# KiCad board mtt_final.kicad_pcb (continued)
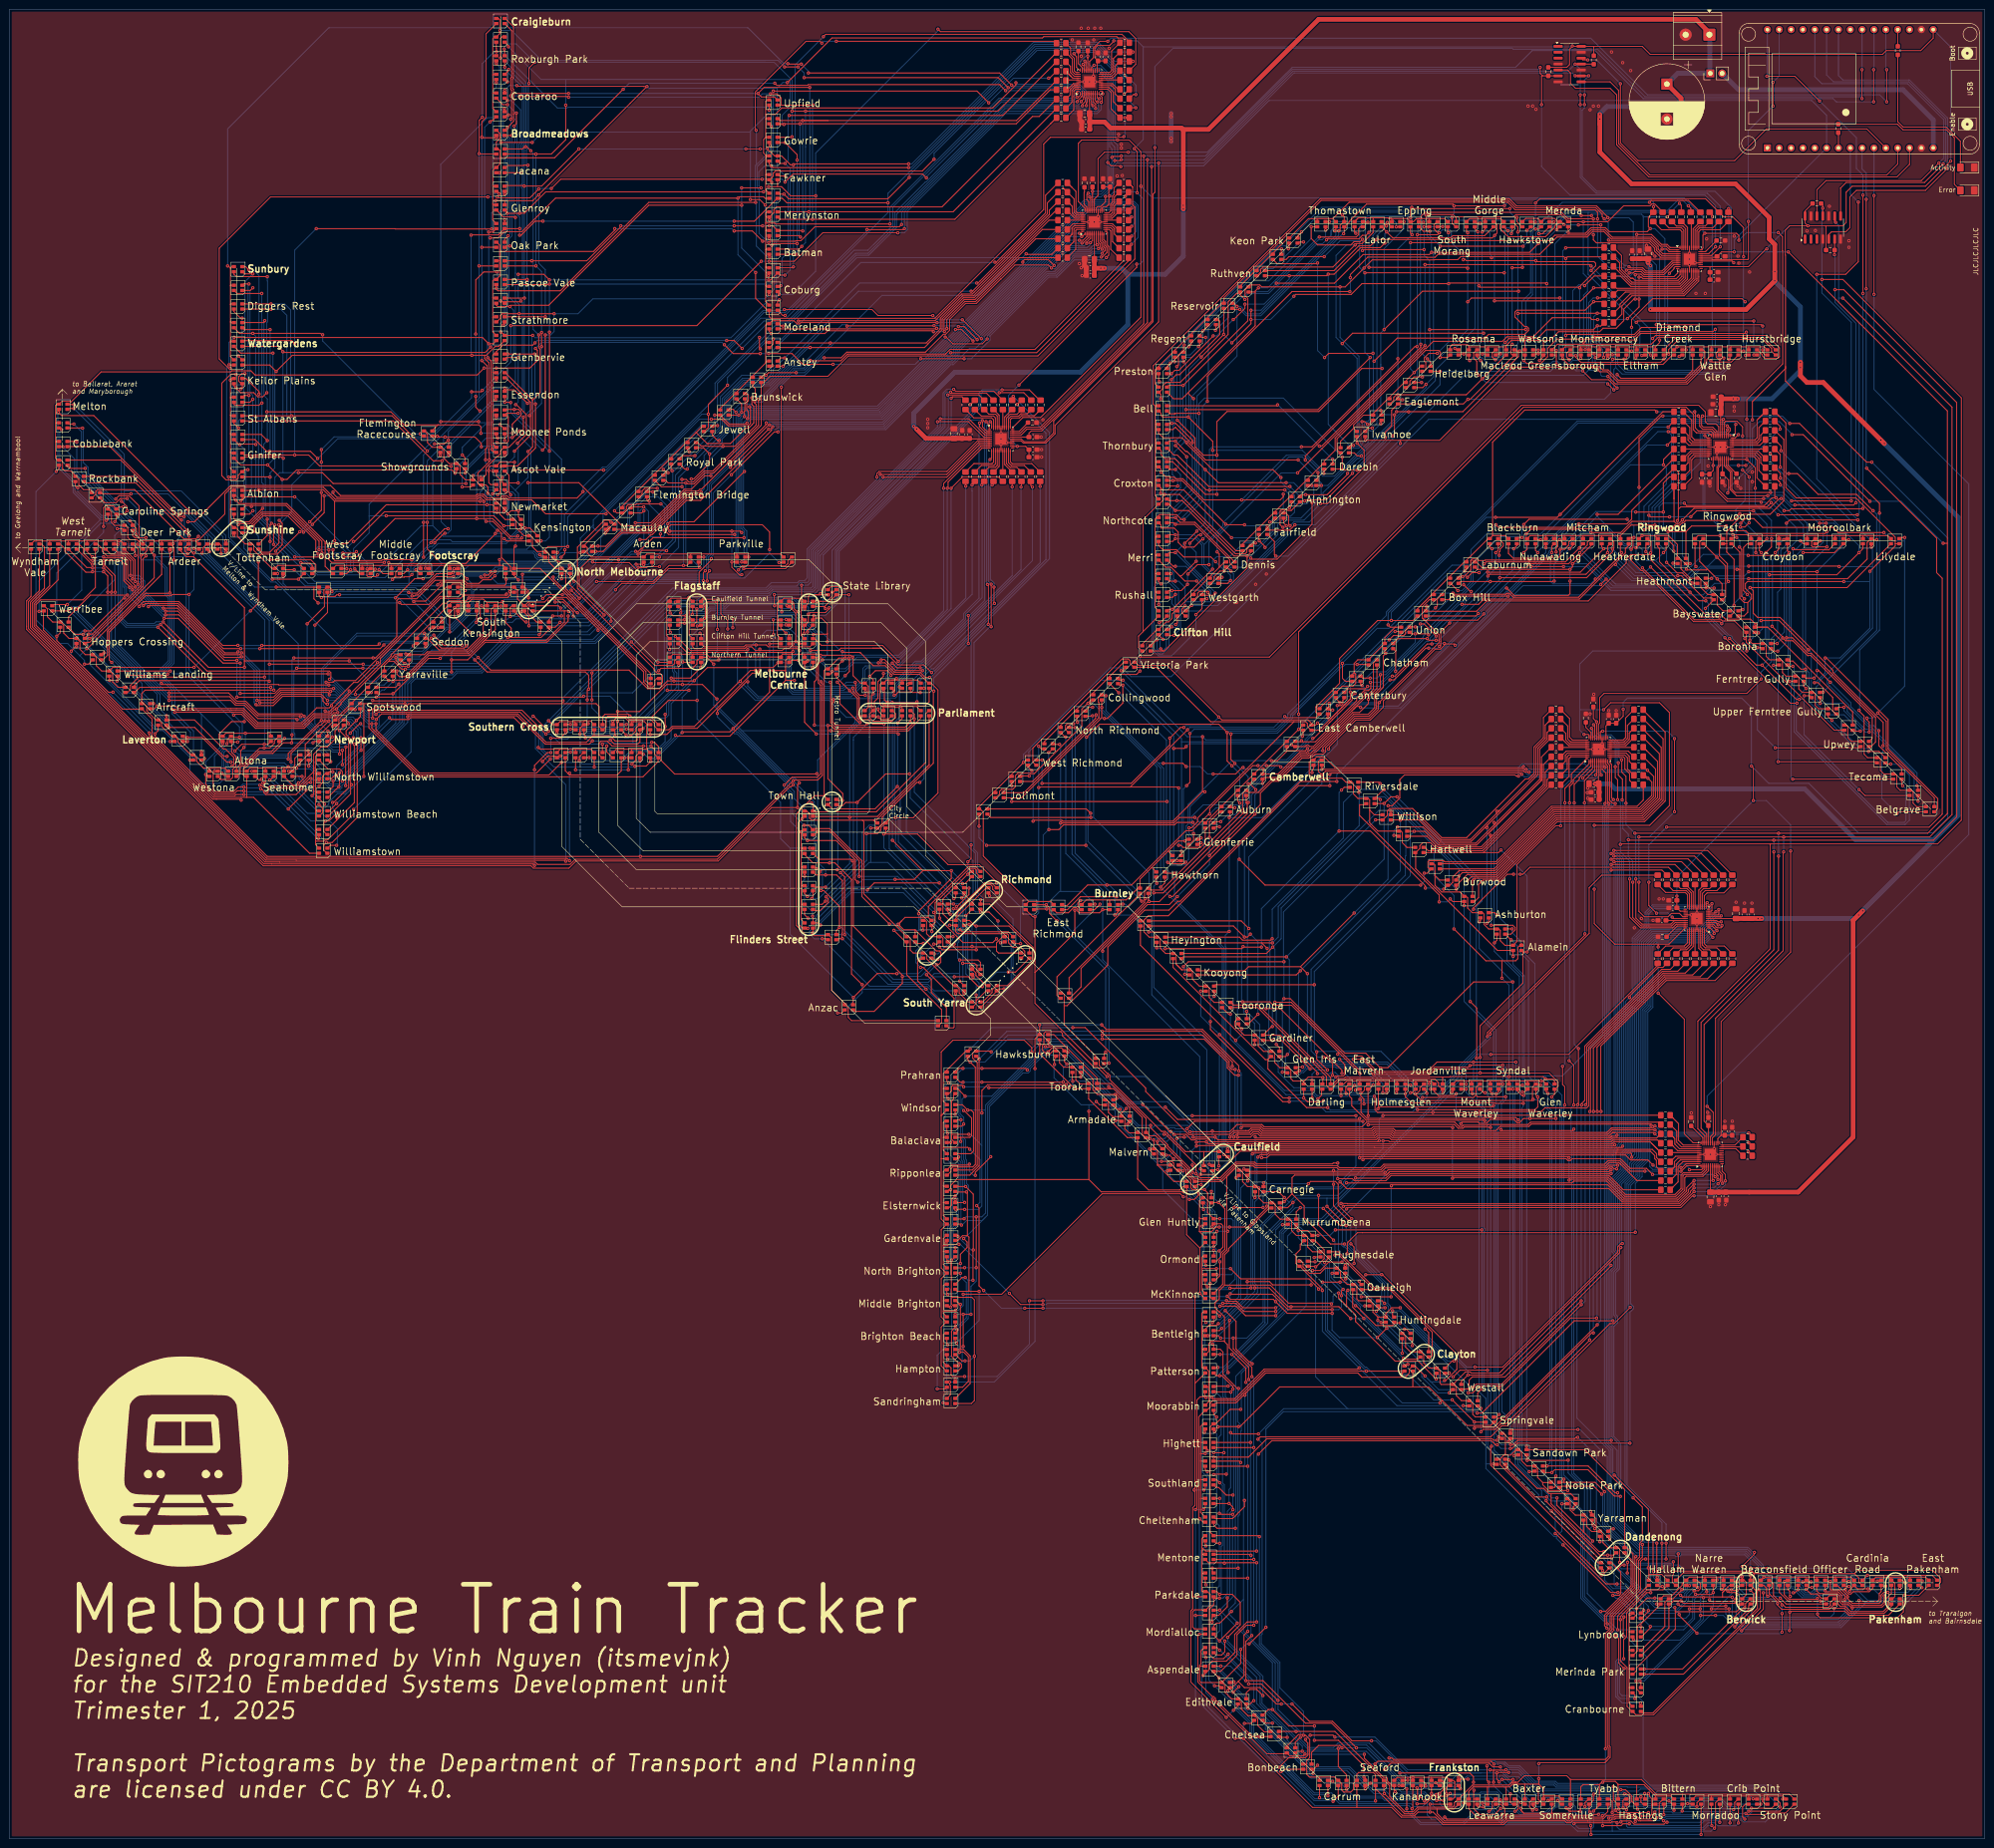
[diagram p0: board, top side]
## Routing (per net, layer and track width the routed paths; a pad name or vN(x,y) marks a point on that pad's centre or on a via; arc(x,y) is an arc through that point) (continued)
/L0_CS: length 197.4
  Top w0.2: v1(402.5,372.6) v1(402.5,379.5) ; v1(235.5,385.6) 233.81,385.6 232.43,384.22 232.43,382.1 231.61,381.28 U2.28
  Bottom w0.2: v1(235.5,385.6) 236.15,386.25 339.05,386.25 351.2,374.1 401,374.1 v1(402.5,372.6) ; v1(402.5,379.5) 402.31,379.69 U1.20
/L0_K0B: length 4.3
  Top w0.2: 228.95,376.1 228.79,376.1 228.62,376.1 228.46,376.1 228.29,376.1 227.61,375.42 227.41,375.22 227.41,374.09 R4.1
/L0_K0G: length 6.1
  Top w0.2: R3.1 227.82,372.49 227.82,375.06 228.13,375.37 228.13,375.37 228.46,375.7 U2.42
/L0_K0R: length 7.6
  Top w0.2: U2.43 228.62,375.3 228.22,374.9 228.22,370.9 R2.1
/L0_K1B: length 6.6
  Top w0.2: R7.1 227.66,378.04 ; R7.1 227.66,378.04 ; R7.1 227.66,378.04 ; 227.66,378.04 228,377.7 U2.37
/L0_K1G: length 2.6
  Top w0.2: U2.38 226.62,377.3
/L0_K1R: length 3
  Top w0.2: U2.40 228.12,376.5 226.81,375.19
/L0_K2B: length 7.6
  Top w0.2: 229.1,378.9 228.7,378.9 228.31,379.29 228.31,381.96 227.53,382.73 227.53,384.17 R10.1
/L0_K2G: length 5.8
  Top w0.2: U2.35 228.5,378.5 227.91,379.09 227.91,381.79 227.11,382.59 226.81,382.89
/L0_K2R: length 4.8
  Top w0.2: R8.1 227.01,380.69 227.51,380.19 227.51,378.89 228.3,378.1 U2.36
/L0_K3B: length 6.5
  Top w0.2: 237.41,380.59 237.61,380.79 ; 237.41,380.59 237.11,380.29 237.11,378.89 236.32,378.1 U2.20 ; 237.41,380.59 R13.1
/L0_K3G: length 6.9
  Top w0.2: 237.51,382.69 236.71,381.89 236.71,379.09 236.12,378.5 U2.21
/L0_K3R: length 9.9
  Top w0.2: 237.51,384.69 236.31,383.49 236.31,379.29 235.92,378.9 234.12,378.9 ; 237.51,384.69 R11.1 237.51,384.69
/L0_K4B: length 4.2
  Top w0.2: U2.16 236.5,376.5 236.66,376.34 237.71,375.29
/L0_K4G: length 4.1
  Top w0.2: U2.18 238.1,377.3
/L0_K4R: length 4.2
  Top w0.2: U2.19 236.53,377.7 237.71,378.89
/L0_K5B: length 8.7
  Top w0.2: U2.13 235.53,375.3 236.23,374.6 236.23,371.07 237.13,370.17 R19.1
/L0_K5G: length 7.2
  Top w0.2: R18.1 237.49,371.86 236.71,372.64 236.71,374.69 235.7,375.7 U2.14
/L0_K5R: length 5.2
  Top w0.2: 237.61,373.79 237.11,374.29 237.11,375.29 236.3,376.1 U2.15
/L1_A0: length 106.5
  Top w0.2: 162.17,316.62 162.15,316.65 162.15,320.9 ; 162.17,316.62 152.4,306.85 D78.3 ; 162.17,316.62 162.55,317 ; v1(233.22,341.9) 233.02,342.1 U3.7 ; v1(224,337.5) 222.73,338.77 217.67,338.77 217.28,338.38 v1(217.28,338.2) ; 162.15,320.9 162.15,324.7 162.45,325 D73.3 163.55,325.65 168.22,325.65 168.91,324.96 169.41,324.96 169.7,325.25 198.9,325.25 v1(198.91,325.24) ; 162.15,320.9 162.25,321 D74.3
  Bottom w0.2: v1(217.28,338.2) 217.28,337.92 204.62,325.25 198.92,325.25 v1(198.91,325.24) ; v1(233.22,341.9) 232.5,341.9 231.5,340.9 227.07,340.9 224,337.83 v1(224,337.5)
/L1_A1: length 137.5
  Top w0.2: 138.4,292.85 D82.3 ; 138.4,292.85 147.22,301.68 ; 138.4,292.85 131.4,285.85 D84.3 ; 147.22,301.68 149.7,299.2 149.8,299.2 149.9,299.3 154.6,299.3 157.9,302.6 158.5,302.6 159.3,303.4 159.3,303.42 159.6,303.72 159.6,307.3 159.2,307.7 v1(159.2,309.1) ; 147.22,301.68 148.55,303 ; v1(179.6,324.5) 179.65,324.55 198.2,324.55 v1(198.26,324.62) ; U3.5 232.22,342.82 v1(231.78,342.39) ; v1(203.47,324.39) 204.71,324.39 v1(207.5,321.6)
  Bottom w0.2: v1(231.78,342.39) 231.78,342.08 231,341.3 226.9,341.3 207.5,321.9 v1(207.5,321.6) ; v1(179.6,324.5) 179.3,324.8 178.53,324.8 169.64,315.9 167.89,315.9 161.38,309.39 159.49,309.39 v1(159.2,309.1) ; v1(198.26,324.62) 199.33,324.62 199.39,324.56 203.3,324.56 v1(203.47,324.39)
/L1_A2: length 174.9
  Top w0.2: 165.58,275.38 165.5,275.45 v1(165.5,311.4) ; 165.58,275.38 165.82,275.13 ; 165.58,275.38 165.35,275.6 155.9,275.6 ; 146.15,275.6 146,275.45 D88.3 ; 146.15,275.6 136.65,275.6 D87.3 124.75,274.95 123.9,275.8 123.9,276.95 123.6,277.25 D86.3 ; 146.15,275.6 155.9,275.6 ; v1(223.41,336.96) 222.77,337.6 215.6,337.6 212.6,334.6 212.57,334.6 207.34,329.37 205.03,329.37 201.6,325.94 201.6,323.6 200.75,322.75 200.25,322.75 196.4,318.9 179.54,318.9 178.34,317.7 v1(174.7,317.7) ; D89.3 156,275.5 155.9,275.6 ; 123.15,277.4 127.75,282 ; U3.8 233.42,342.55 233.82,342.15 233.82,341.42 233.52,341.12 v1(233.5,341.12)
  Bottom w0.2: v1(233.5,341.12) 232.28,341.12 231.66,340.5 227.85,340.5 224.15,336.8 223.57,336.8 v1(223.41,336.96) ; v1(174.7,317.7) 174.27,317.7 170.47,313.9 167.66,313.9 165.5,311.74 v1(165.5,311.4)
/L1_A3: length 306.7
  Top w0.2: v1(127.93,284.22) 114.98,284.22 112,287.2 107,287.2 106.5,287.7 105.9,287.7 105.4,287.2 102.3,287.2 101.5,288 100.43,288 100.18,287.74 70.26,287.74 69.4,288.6 v1(69.4,288.9) ; 14.47,257.5 15.15,256.82 15.15,255.15 16.3,254 D94.3 ; v1(67.5,288.1) 67.5,284.47 v1(64.97,281.93) ; 18.05,254 18.65,253.4 18.65,251.65 19.8,250.5 D95.3 22.2,251.3 v1(39.6,251.3) ; 7.47,264.5 8.15,263.82 8.15,262.15 9.3,261 D92.3 ; v1(202.84,323.76) 204.14,323.76 v1(206.61,321.29) ; v1(63.07,280.28) 63.07,280.43 59.73,283.77 54.37,283.77 52.47,281.87 52.47,281.87 52.47,280.57 v1(52.35,280.45) ; v1(51.7,263.4) 53.4,265.1 v1(53.4,273.9) ; D96.3 23.3,247 22.15,248.15 22.15,249.9 21.55,250.5 ; 10.97,261 11.65,260.32 11.65,258.65 12.8,257.5 D93.3 ; v1(150.5,304.5) 152.73,304.5 154.14,303.1 158.41,303.1 158.9,303.59 158.9,306.98 v1(158.7,307.18) ; U3.4 231.82,343.32 230.99,342.49 v1(230.99,342.25)
  Bottom w0.2: v1(67.5,288.1) 68.6,288.1 v1(69.4,288.9) ; v1(150.5,304.5) 147.93,304.5 127.93,284.5 v1(127.93,284.22) ; v1(39.6,251.3) v1(51.7,263.4) ; v1(230.99,342.25) 230.45,341.7 228,341.7 226.74,341.7 206.6,321.56 206.6,321.3 v1(206.61,321.29) ; v1(52.35,280.45) 53.4,279.4 v1(53.4,273.9) ; v1(63.07,280.28) 63.31,280.28 v1(64.97,281.93) ; v1(202.84,323.76) 202.84,323.51 186.24,306.9 159.3,306.9 159.05,307.15 158.73,307.15 v1(158.7,307.18)
/L1_A4: length 334.2
  Top w0.2: v1(208.4,321.8) 204.35,325.85 v1(204.31,325.85) ; 39.47,232.5 40.15,231.82 40.15,231.15 41.65,229.65 41.65,229.65 42.9,229.65 ; 31.88,240 31.43,240 29.45,241.98 29.45,242.9 28.85,243.5 D97.3 28.4,245.7 29.1,246.4 v1(56.7,246.4) ; 42.9,229.65 46.25,229.65 D102.3 ; 42.9,229.65 D101.3 ; U3.9 233.82,342.72 234.22,342.32 234.22,341.08 v1(234.3,341) ; 123.1,289 121.7,287.6 107.2,287.6 106.7,288.1 105.73,288.1 105.23,287.6 102.47,287.6 101.67,288.4 100.27,288.4 100.01,288.14 71.01,288.14 68.85,290.3 47.47,290.3 39.67,282.5 v1(38.3,282.5) ; D99.3 34.8,236.5 32.65,238.65 32.65,239.31 31.97,240 ; D100.3 38.93,232.5 36.15,235.28 36.15,235.82 35.98,235.98 35.47,236.5 ; v1(198,326.76) 186.24,326.76 184.95,328.05 v1(166.17,328.05)
  Bottom w0.2: v1(38.3,282.5) 38.7,282.5 41.91,279.29 41.91,275.81 56.7,261.02 v1(56.7,246.4) ; v1(198,326.76) 198.91,325.85 v1(204.31,325.85) ; v1(208.4,321.8) 208.4,322.23 222.37,336.2 224.12,336.2 228.01,340.09 231.83,340.09 232.25,340.51 233.81,340.51 v1(234.3,341) ; v1(123,289) 123,290.05 127.16,294.21 127.99,294.21 161.6,327.82 165.72,327.82 165.95,328.05 v1(166.17,328.05)
/L1_A5: length 284.1
  Top w0.2: v1(61.6,229.68) 60.68,229.68 ; 60.68,229.68 58.9,229.68 ; 60.68,229.68 61.2,230.2 61.2,231.75 61.95,232.5 D106.3 ; v1(50.3,234.1) 49.6,233.4 v1(49.6,231.1) ; v1(149.6,269.81) 149.6,271.4 150.1,271.9 v1(150.1,272) ; v1(154.6,294.2) v1(162.8,302.4) ; D103.3 51.57,229.68 54.9,229.68 ; U3.3 231.42,343.52 230.2,342.3 v1(229.97,342.3) ; 58.9,229.68 D105.3 ; 58.9,229.68 54.9,229.68 ; D108.3 56.07,236.9 55.82,237.15 v1(50.6,237.15) 46.38,237.15 D107.3 ; 54.9,229.68 D104.3
  Bottom w0.2: v1(154.6,294.2) 154.27,294.2 150.5,290.43 150.5,275.55 149.89,274.93 149.89,272.31 150.1,272.1 v1(150.1,272) ; v1(61.6,229.68) 61.79,229.48 64.5,229.48 68.49,225.49 ; v1(49.6,231.1) 49.9,230.8 58.95,230.8 v1(59.8,229.95) ; v1(229.97,342.3) 226.77,342.3 203.63,319.16 203.63,318.03 202.23,316.63 201.66,316.63 187.73,302.7 164.8,302.7 164.4,302.3 162.9,302.3 v1(162.8,302.4) ; 50.6,237.1 50.6,234.4 v1(50.3,234.1) ; 68.49,225.49 68.79,225.2 ; 68.49,225.49 68.91,225.07 70.9,225.07 71.3,225.48 71.3,225.95 84.6,239.25 84.6,242.45 85.4,243.25 85.4,247.73 87.37,249.7 95.05,249.7 95.8,250.45 95.8,250.5 101.16,250.5 107.5,256.84 125.49,256.84 138.31,269.66 148.15,269.66 148.55,269.26 149.05,269.26 v1(149.6,269.81)
/L1_A6: length 269.6
  Top w0.2: 65.65,224.65 65.65,228.65 ; 65.65,224.65 65.65,220.4 ; 65.65,224.65 65.8,224.5 D112.3 ; 65.65,228.65 65.65,232.2 65.95,232.5 D114.3 ; 65.65,228.65 65.8,228.5 D113.3 ; v1(234.3,340.1) 234.9,340.7 234.9,341.25 234.62,341.52 234.62,342.48 234.22,342.88 U3.10 ; 65.65,214.1 65.76,213.98 67.4,213.98 67.73,214.31 68.28,214.31 73.8,219.83 v1(73.8,220.8) ; 65.65,214.1 65.65,213.25 D109.3 ; 65.65,214.1 65.65,216.4 ; v1(147.88,269.06) 147.88,271.68 150.5,274.3 v1(150.5,274.6) ; D110.3 65.75,216.5 65.65,216.4 ; 65.65,216.4 65.65,220.4 ; 65.65,220.4 65.75,220.5 D111.3 ; 164.5,301.8 164,301.8 v1(154.8,292.6) ; 164.5,301.8 v1(164.8,301.8) ; 164.5,301.8 164.6,301.8
  Bottom w0.2: v1(164.8,301.8) 165.3,302.3 187.9,302.3 201.83,316.23 202.4,316.23 205.83,319.67 207.12,319.67 209,321.55 209,322.26 222.54,335.8 224.3,335.8 225.1,336.6 225.1,336.62 228.17,339.69 231.99,339.69 232.41,340.11 234.19,340.11 234.2,340.13 234.27,340.13 v1(234.3,340.1) ; v1(147.88,269.06) 147.68,269.25 138.47,269.25 125.66,256.44 107.67,256.44 101.33,250.1 96.02,250.1 94.75,248.83 87.07,248.83 86.1,247.87 86.1,233.1 v1(73.8,220.8) ; v1(154.8,292.6) 150.9,288.7 150.9,275.38 150.5,274.98 v1(150.5,274.6)
/L1_A7: length 232.5
  Top w0.2: U3.2 231.02,343.72 230.2,342.9 v1(229.4,342.9) ; 81.3,252.6 82.45,252.6 84.15,250.9 v1(84.9,250.9) ; 81.3,252.6 80.4,251.7 D119.3 ; 81.3,252.6 82.27,253.57 82.27,253.65 82.63,254 83.12,254 83.12,254 D120.3 ; v1(129,261.2) 129,261.88 122.2,268.68 122.2,272.3 124.4,274.5 128.5,274.5 128.65,274.35 v1(130.6,274.35) ; 66.4,236.65 69.9,240.15 73.33,243.58 76.9,247.15 80.33,250.58 ; v1(163.67,302.9) 163.4,302.62 163.4,302.1 149.15,287.85 148.97,287.85 148.22,287.1 145.17,287.1 138,279.93 137.99,279.93 137.75,279.7 137.49,279.7 136.49,278.7 v1(135.2,278.7)
  Bottom w0.2: v1(129,261.2) 129,261.16 125.08,257.24 107.26,257.24 100.92,250.9 84.9,250.9 v1(84.9,250.9) ; v1(130.6,274.35) 130.6,274.92 134.38,278.7 v1(135.2,278.7) ; v1(229.4,342.9) 226.8,342.9 203.23,319.33 203.23,318.19 202.06,317.03 201.5,317.03 187.57,303.1 163.9,303.1 163.7,302.9 v1(163.67,302.9)
/L1_A8: length 198.7
  Top w0.2: v1(200.64,322.15) 200.69,322.1 200.9,322.1 202.31,320.69 208.59,320.69 v1(209.65,321.75) ; D124.3 98.4,265.15 ; 98.4,265.15 99.15,265.9 101.65,265.9 102.4,265.15 ; 98.4,265.15 94.7,265.15 93.8,264.25 90.73,261.18 87.4,257.85 D121.3 ; 105.75,265.15 v1(105.75,265.4) ; 105.75,265.15 D126.3 ; 105.75,265.15 102.4,265.15 ; 102.4,265.15 D125.3 ; 234.62,344.31 234.62,343.05 235.03,342.65 235.03,341.69 235.3,341.42 235.3,340.25 234.35,339.3 v1(234.1,339.3) ; v1(118.57,266.9) 115.2,266.9 v1(114.35,266.05) ; v1(150.4,292.4) 149.12,292.4 146.22,289.5 144.72,289.5 137.52,282.3 v1(134.2,282.3)
  Bottom w0.2: v1(114.35,266.05) 113.9,265.6 110.9,265.6 110.7,265.8 106.1,265.8 105.75,265.45 v1(105.75,265.4) ; v1(150.4,292.4) 155.2,297.2 155.2,302.8 155.2,302.8 155.2,306.46 156.51,307.78 158.99,307.78 159.47,307.3 186.07,307.3 200.64,321.87 v1(200.64,322.15) ; v1(134.2,282.3) 134.21,282.29 134.21,280.23 120.88,266.9 v1(118.57,266.9) ; v1(234.1,339.3) 233.4,339.3 233.39,339.29 228.34,339.29 225.68,336.62 225.68,336.61 224.47,335.4 222.7,335.4 209.7,322.4 209.7,321.8 v1(209.65,321.75)
/L1_A9: length 256.8
  Top w0.2: v1(126.23,259.24) 126.3,259.31 126.3,259.45 119.45,266.3 115.75,266.3 114.75,265.3 111.25,265.3 110.45,264.5 ; 94.4,268.55 95,269.15 96.95,269.15 97.6,268.5 D130.3 ; D127.3 45.1,277.75 45.4,277.45 45.4,275.7 v1(45.4,275.7) ; v1(66.2,265.1) 65.3,266 65.3,268.5 ; D132.3 113.05,261 111.15,262.9 111.15,264.15 110.8,264.5 D131.3 108.95,265.95 108.95,267.85 108.3,268.5 ; 230.62,344.31 230.01,343.7 v1(229.9,343.7) ; v1(154.6,295.1) 162.8,303.3 v1(162.98,303.3) ; v1(149.2,272) 148.8,271.6 v1(148.8,269.86) ; v1(83.68,265.18) 84.05,264.8 90,264.8 93.7,268.5 D129.3 ; D128.3 65.3,268.5 ; 65.3,268.5 v1(57.2,268.5)
  Bottom w0.2: v1(45.4,275.7) 52.6,268.5 v1(57.2,268.5) ; v1(154.6,295.1) 150.1,290.6 150.1,275.72 149.49,275.1 149.49,272.29 v1(149.2,272) ; v1(83.68,265.18) 82.98,265.18 82.9,265.1 v1(66.2,265.1) ; v1(162.98,303.3) 163,303.3 163.2,303.5 187.4,303.5 201.33,317.43 201.9,317.43 202.83,318.36 202.83,319.49 227.03,343.7 v1(229.9,343.7) ; v1(148.8,269.86) 148.8,270 148.74,270.06 136.96,270.06 126.23,259.33 v1(126.23,259.24)
/L1_A10: length 277.2
  Top w0.2: 112.95,316.85 111.6,315.5 v1(104.4,315.5) ; 112.95,316.85 113.21,317.11 113.21,319.29 v1(112.8,319.7) ; 112.95,316.85 113.1,317 ; 10.3,295.75 9.9,296.15 9.9,299.65 ; 9.9,303.65 10,303.75 D134.3 ; 9.9,303.65 9.9,299.65 ; 9.9,303.65 9.9,307.45 10.2,307.75 D133.3 11.3,308.4 12.97,308.4 13.18,308.18 19.68,314.68 47.48,314.68 47.7,314.9 51.8,314.9 52.7,314 100.3,314 v1(101.8,315.5) ; v1(235.2,339.2) 235.7,339.7 235.7,341.58 235.43,341.86 235.43,344.53 235.13,344.82 ; v1(176.6,316.3) 170.1,316.3 167.8,318.6 v1(162.8,318.6) ; 9.9,299.65 10,299.75 D135.3 ; v1(161,318.6) 155.2,318.6 v1(153.3,320.5) ; v1(195.4,317.5) v1(204.7,317.5) ; 14.22,292.25 14.9,291.57 14.9,290.4 15.9,289.4 17.4,289.4 17.65,289.15 D138.3 ; D136.3 11.05,295.75 11.4,295.4 11.4,293.9 11.9,293.4 13.15,293.4 14.15,292.4
  Bottom w0.2: v1(204.7,317.5) 206.25,317.5 210.25,321.5 210.25,322.35 210.24,322.36 222.87,335 224.63,335 228.33,338.7 234.7,338.7 v1(235.2,339.2) ; v1(195.4,317.5) 194.2,316.3 v1(176.6,316.3) ; v1(153.3,320.5) 152.8,321 114.1,321 v1(112.8,319.7) ; v1(161,318.6) v1(162.8,318.6) ; v1(101.8,315.5) v1(104.4,315.5)
/L1_A11: length 273.7
  Top w0.2: 27.65,278.4 32.65,278.4 ; 27.65,278.4 27.4,278.65 25.9,278.65 25.4,279.15 25.4,281.15 24.8,281.75 ; 27.65,278.4 28.3,277.75 ; 32.65,278.4 36.65,278.4 ; 32.65,278.4 D142.3 ; 36.65,278.4 40,278.4 ; 36.65,278.4 D143.3 ; v1(111.2,290.9) 122.1,290.9 131.3,281.7 137.49,281.7 144.89,289.1 147.65,289.1 148.05,289.5 148.4,289.5 154,295.1 154,295.35 154.35,295.7 154.6,295.7 162.28,303.38 v1(162.28,303.72) ; 21.22,285.25 21.9,284.57 21.9,282.4 22.55,281.75 D140.3 ; 40,278.4 D144.3 ; 40,278.4 40.41,278.4 46.2,284.19 46.2,288.47 47.63,289.9 67.34,289.9 69.9,287.34 100.34,287.34 100.6,287.6 101.14,287.6 101.75,286.99 v1(101.75,286.87) ; 230.11,344.82 229.69,344.4 v1(229.4,344.4) ; v1(109.85,279.05) 109.6,278.8 107.45,278.8 103.65,282.6 v1(102.2,282.6)
  Bottom w0.2: v1(101.75,286.87) 101.75,283.05 v1(102.2,282.6) ; 162.4,303.9 187.23,303.9 201.17,317.83 201.73,317.83 202.43,318.53 202.43,319.66 227.17,344.4 v1(229.4,344.4) ; v1(109.85,279.05) 109.85,279.66 111.42,281.23 111.42,290.68 v1(111.2,290.9)
/L1_CS: length 207.6
  Top w0.2: v1(239.9,361.8) 234.8,361.8 233.4,360.4 233.4,352.5 232.62,351.72 U3.28 ; v1(399.7,372.6) v1(399.7,379.5)
  Bottom w0.2: v1(399.7,379.5) 399.7,379.8 399.77,379.88 U1.21 ; v1(399.7,372.6) 391.7,372.6 391,373.3 388.38,373.3 388.33,373.35 387.87,373.35 387.82,373.3 350.3,373.3 340,383.6 326.5,383.6 322.9,380 275.04,380 256.84,361.8 v1(239.9,361.8)
/L1_K0B: length 6.7
  Top w0.2: 227.78,344.17 R23.1 227.78,344.17 ; 227.78,344.17 227.83,344.22 227.83,345.52 228.33,346.02 U3.41
/L1_K0G: length 7.8
  Top w0.2: 227.53,341.92 R22.1 227.53,341.92 ; 227.53,341.92 228.13,342.52 228.23,342.62 228.23,345.32 228.53,345.62 U3.42
/L1_K0R: length 8.3
  Top w0.2: U3.43 228.83,345.22 228.63,345.02 228.63,340.97 R21.1
/L1_K1B: length 4.1
  Top w0.2: U3.37 228.43,347.62 R26.1
/L1_K1G: length 3.4
  Top w0.2: U3.38 R25.1
/L1_K1R: length 3.9
  Top w0.2: U3.40 228.03,346.42 R24.1
/L1_K2B: length 9.1
  Top w0.2: 227.28,354.77 227.73,354.32 ; 227.73,354.32 228.67,353.38 228.67,349.09 228.93,348.82 230.11,348.82 ; 227.73,354.32 227.43,354.62 R29.1
/L1_K2G: length 9.8
  Top w0.2: R28.1 225.88,354.17 R28.1 ; R28.1 228.27,351.79 228.27,348.92 228.77,348.42 U3.35
/L1_K2R: length 5.9
  Top w0.2: 227.35,350.7 227.87,350.19 227.87,348.75 228.6,348.02 U3.36 ; 227.35,350.7 227.09,350.96 ; 227.35,350.7 R27.1
/L1_K3B: length 5.1
  Top w0.2: U3.20 236.27,348.02 236.93,348.69 236.93,350.32 237.83,351.22
/L1_K3G: length 6.6
  Top w0.2: U3.21 236.1,348.42 236.53,348.85 236.53,350.52 236.92,350.91 236.92,352.21 R31.1
/L1_K3R: length 7.7
  Top w0.2: 235.13,348.82 235.73,348.82 236.13,349.22 236.13,350.69 236.52,351.07 236.52,352.37 236.84,352.69 236.84,354.12 237.38,354.67 237.79,355.08
/L1_K4B: length 3.2
  Top w0.2: 237.7,345.22 236.5,346.42 U3.16
/L1_K4G: length 2.9
  Top w0.2: U3.18 R34.1
/L1_K4R: length 3.5
  Top w0.2: U3.19 236.43,347.62 237.93,349.12
/L1_K5B: length 7.7
  Top w0.2: U3.13 235.83,345.22 236.13,344.92 236.13,340.97 237.31,339.79 R38.1
/L1_K5G: length 6.3
  Top w0.2: U3.14 236.13,345.62 236.53,345.22 236.53,342.62 237.33,341.82 R37.1
/L1_K5R: length 4.8
  Top w0.2: U3.15 236.33,346.02 236.93,345.42 236.93,344.22 R36.1
/L2_A0: length 263.1
  Top w0.2: U4.7 207.59,299.89 201,293.3 186.45,293.3 186,292.85 v1(186,292.1) ; 20.65,278.4 16.65,278.4 ; 20.65,278.4 v1(23.5,278.4) 24,278.4 D150.3 ; 20.65,278.4 D149.3 ; 16.65,278.4 12.65,278.4 ; 16.65,278.4 D148.3 ; D145.3 5.3,278.4 8.65,278.4 ; 12.65,278.4 8.65,278.4 ; 12.65,278.4 D147.3 ; 8.65,278.4 D146.3 ; v1(118.7,244.1) 78,244.1 v1(77.9,244.2) ; v1(68.64,248.74) 68.93,249.03 68.93,250.15 68.58,250.5 42.4,250.5 32.43,260.46 v1(32.42,260.46)
  Bottom w0.2: v1(186,292.1) 186,291.64 171.08,276.72 171.08,270.48 170.51,269.9 169.43,269.9 169.01,269.49 163.38,269.49 162.2,268.31 142.22,268.31 118.7,244.78 v1(118.7,244.1) ; v1(68.64,248.74) 68.92,248.74 73.16,244.5 77.6,244.5 v1(77.9,244.2) ; 23.6,278.4 23.5,278.3 23.5,278.24 23.85,277.89 23.85,277.39 23.71,277.25 23.71,261.76 25.17,260.3 31.4,260.3 31.6,260.5 32.38,260.5 v1(32.42,260.46)
/L2_A1: length 160.1
  Top w0.2: D153.3 121.4,239.35 121.1,239.65 ; v1(199,303.97) 199.02,304 205.6,304 208.91,300.69 U4.5 ; D156.3 124.65,233.75 121.4,233.75 ; D155.3 124.6,239.8 123.25,239.8 123.1,239.65 121.1,239.65 ; 121.1,239.65 118.05,239.65 D151.3 116.45,239 v1(115.6,239.85) ; D152.3 118.15,233.75 ; 118.15,233.75 113.75,233.75 v1(113.4,234.1) ; 118.15,233.75 121.4,233.75 ; 121.4,233.75 D154.3
  Bottom w0.2: v1(199,303.97) 199,302.9 183.9,287.8 183.87,287.8 172.28,276.22 172.28,268.68 171.9,268.3 163.42,268.3 162.62,267.5 143.25,267.5 v1(115.6,239.85) 113.5,237.75 113.5,234.2 v1(113.4,234.1)
/L2_A2: length 148.8
  Top w0.2: 133.4,233.75 130.15,233.75 D158.3 ; 133.4,233.75 136.65,233.75 ; 133.4,233.75 D160.3 ; 136.65,233.75 136.65,233.75 136.65,238.85 136.8,239 ; 136.65,233.75 D162.3 ; D159.3 133.4,239.65 133.9,239.65 ; 133.9,239.65 132.83,239.65 132.08,240.4 130.1,240.4 v1(129.4,239.7) 129.4,239.7 D157.3 ; 133.9,239.65 136.15,239.65 136.8,239 ; 136.8,239 D161.3 ; v1(186.7,292.7) 186.72,292.68 200.98,292.68 207.79,299.49 U4.8 ; v1(124.9,244.3) v1(124.9,250.1)
  Bottom w0.2: v1(186.7,292.7) 186.7,291.77 171.48,276.55 171.48,269.88 171.1,269.5 169.6,269.5 168.8,268.7 163.25,268.7 162.45,267.9 142.7,267.9 v1(124.9,250.1) ; v1(129.4,239.7) 127.8,239.7 124.9,242.6 v1(124.9,244.3)
/L2_A3: length 112.9
  Top w0.2: 140.85,261.4 140.9,261.45 D166.3 ; 140.85,261.4 140.85,265.15 141.15,265.45 ; 140.85,261.4 140.85,258.2 D168.3 ; 145.85,266.1 D163.3 ; 145.85,266.1 141.8,266.1 141.15,265.45 ; 145.85,266.1 145.75,266 145.75,262.2 ; D164.3 141.15,265.45 ; U4.4 209.37,301.09 209.37,301.1 209.2,301.1 205.7,304.6 v1(199.6,304.6) ; D167.3 145.75,258.2 145.75,262.2 ; 145.75,262.2 D165.3
  Bottom w0.2: v1(199.6,304.6) 199.6,302.93 181.28,284.62 181.25,284.62 172.69,276.05 172.69,268.45 172.13,267.9 163.58,267.9 162.78,267.1 148.33,267.1 147.53,266.3 v1(145.7,266.3)
/L2_A4: length 85.2
  Top w0.2: 169.85,268.8 169.85,268.85 ; 169.85,268.8 169.85,266.1 ; 169.85,268.8 v1(169.85,268.9) ; 164.65,261.4 164.65,258.2 D174.3 ; 164.65,261.4 164.65,265.15 164.95,265.45 D170.3 166.05,266.1 169.85,266.1 ; 164.65,261.4 164.7,261.45 D172.3 ; 169.75,262.2 D171.3 ; 169.75,262.2 169.75,258.2 D173.3 ; 169.75,262.2 169.75,266 169.85,266.1 ; U4.9 207.99,299.09 200.97,292.07 v1(187.33,292.07) ; 169.85,266.1 D169.3
  Bottom w0.2: v1(169.85,268.9) 171.2,268.9 171.88,269.58 171.88,276.38 186.68,291.18 186.72,291.18 187.33,291.79 v1(187.33,292.07)
/L2_A5: length 93.5
  Top w0.2: D176.3 194.75,248.55 191.4,248.55 ; 187.15,242.9 186.65,243.4 186.65,243.4 186.65,247.6 186.95,247.9 D180.3 188.05,248.55 189.2,248.55 ; 187.15,242.9 187.4,242.65 D179.3 ; 187.15,242.9 187.35,242.7 191.2,242.7 191.4,242.9 ; U4.3 209.54,301.49 209.53,301.5 209.42,301.5 208.02,302.9 v1(208.02,303.69) ; 191.4,242.9 194.5,242.9 D175.3 ; 191.4,242.9 D177.3 ; D178.3 191.4,248.55 ; 191.4,248.55 189.2,248.55 ; 189.2,248.55 189.85,248.55 v1(190.2,248.9)
  Bottom w0.2: v1(208.02,303.69) 207.9,303.57 207.9,266.13 204.59,262.83 204.59,261.7 195.51,252.61 194.26,252.61 190.54,248.9 v1(190.2,248.9)
/L2_A6: length 119.3
  Top w0.2: D183.3 170.5,254 170.4,254.1 ; D185.3 184.15,242.75 184.15,247.22 183.47,247.9 ; D186.3 182.5,247.9 180.9,249.5 180.9,253.38 v1(180.79,253.49) 180.4,253.88 174.22,253.88 174,254.1 170.4,254.1 ; v1(200.3,289.7) 200.3,290.7 208.29,298.69 U4.10 ; 170.4,254.1 169.7,254.1 169.69,254.09 167.71,254.09 167.7,254.1 165.8,254.1 165.4,253.7 ; 146.65,254.1 149.5,254.1 150.1,253.5 165.35,253.5 ; 146.65,254.1 142.25,254.1 D182.3 ; 146.65,254.1 146.5,253.95 D181.3
  Bottom w0.2: v1(200.3,289.7) 200.3,263.43 191.27,254.4 191.2,254.4 190.7,253.9 181.2,253.9 v1(180.79,253.49)
/L2_A7: length 183.8
  Top w0.2: v1(178.2,268.63) 176.18,268.63 D187.3 ; 174.7,223.75 D189.3 ; 174.7,223.75 174.7,250.59 175.05,250.95 D188.3 177.83,253.28 v1(179.2,253.28) ; 174.7,223.75 172.62,223.75 169.73,220.87 168.7,219.83 168.7,195.92 170.9,193.72 175.27,193.72 ; 179.17,178.9 179.85,178.22 179.85,176.2 180.55,175.5 D192.3 ; U4.2 209.61,301.89 208.63,302.87 v1(208.63,304.21) ; D191.3 179.1,179.2 176.25,182.05 176.25,193.3 175.6,193.95
  Bottom w0.2: v1(208.63,304.21) 208.49,304.35 206.11,304.35 177.9,276.13 177.9,268.93 v1(178.2,268.63) 179.2,267.63 v1(179.2,253.28)
/L2_A8: length 141.3
  Top w0.2: 169.75,204.4 169.75,200.4 ; 169.75,204.4 169.8,204.45 D195.3 ; 169.75,204.4 169.75,208.4 ; 169.75,200.4 169.75,197.2 D193.3 ; 169.75,200.4 169.8,200.45 D194.3 ; 169.75,212.65 169.95,212.45 D197.3 ; 169.75,212.65 169.75,215.77 170.43,216.45 ; 169.75,212.65 169.75,208.4 ; 169.75,208.4 169.8,208.45 D196.3 ; 210.09,298.29 208.51,298.29 201.26,291.04 201.26,289.86 v1(201.1,289.7) ; v1(166.14,226.04) 167.8,227.7 173.2,227.7 173.89,228.39 173.89,247.5 173.89,247.5 173.44,247.95 173.44,248.45 173.45,248.47 173.45,252.02 v1(174.34,252.9)
  Bottom w0.2: v1(166.14,226.04) 166.14,225.46 167.5,224.1 167.5,218.21 v1(169.7,216) ; v1(201.1,289.7) 201.1,263.66 190.91,253.47 181.7,253.47 179.23,251 175.95,251 174.34,252.62 v1(174.34,252.9)
/L2_A9: length 166.2
  Top w0.2: v1(198.2,246.2) 198.1,246.1 198.1,230.71 185.88,218.49 185.29,218.49 ; D199.3 170.95,220.45 171.55,219.85 171.55,218.93 171.88,218.6 172.5,218.6 172.61,218.49 182.9,218.49 ; D201.3 205.55,179.5 203.65,181.4 203.65,182.32 202.97,183 ; v1(209.4,304) 210.09,303.31 210.09,302.29 ; 182.9,218.49 183.2,218.19 183.2,215.89 183.18,215.87 183.18,215.37 183.2,215.35 183.2,202.7 D204.3 192.85,193.5 193.15,193.2 193.15,190.65 193.8,190 D203.3 196.3,190 196.65,189.65 196.65,188.78 202.43,183 D202.3 ; 182.9,218.49 185.29,218.49 ; 185.29,218.49 185.3,218.5 185.9,217.9 ; v1(205.6,256.4) 205.6,262.41 v1(205.6,262.41)
  Bottom w0.2: v1(209.4,304) 209.1,303.7 209.1,265.64 205.88,262.41 v1(205.6,262.41) ; v1(198.2,246.2) 198.2,249 v1(205.6,256.4)
/L2_A10: length 150.7
  Top w0.2: D206.3 212.95,193.5 211.64,192.19 211.64,191.3 ; D205.3 212.07,190 211.64,190.44 211.64,191.3 ; 210.6,297.78 210.6,296.2 v1(210.25,295.85) ; v1(210.5,260) 210.5,269.12 v1(210.5,269.13) ; D208.3 v1(206.4,187.1) ; 211.64,191.3 211.62,191.31 200.34,191.31 200.15,191.5 200.15,193.2 199.85,193.5 D209.3 197.3,193.5 196.65,194.15 196.65,196.7 196.35,197 D210.3 ; 206.47,186.5 207.23,185.73 207.23,185.2 209.43,183 D207.3
  Bottom w0.2: v1(206.4,187.1) v1(206.4,191.4) 206.4,195.73 208.86,198.19 208.86,201.67 207.56,202.97 207.56,211.54 206.8,212.3 206.8,256.58 210.22,260 v1(210.5,260) ; v1(210.25,295.85) 209.9,295.5 209.9,269.73 v1(210.5,269.13)
/L2_A11: length 127.1
  Top w0.2: 202.9,204.35 206.05,207.5 ; 202.9,204.35 D214.3 ; 202.9,204.35 200.15,201.6 200.15,200.4 ; v1(209.88,260.5) 209.88,260.78 209.9,260.8 209.9,268.88 v1(209.7,269.08) ; 200.15,200.4 200.05,200.5 D212.3 ; 200.15,200.4 200.15,198.4 201.55,197 D211.3 202.9,197.45 209.45,204 D215.3 ; v1(206.2,213.2) 206.2,210.27 v1(205.5,209.56) ; 210.6,302.81 210.6,303.8 210.4,304 v1(210.3,304)
  Bottom w0.2: v1(205.5,209.56) v1(205.5,206.89) ; v1(206.2,213.2) 206.2,257.1 209.6,260.5 v1(209.88,260.5) ; v1(209.7,269.08) 209.5,269.28 209.5,303.2 v1(210.3,304)
/L2_CS: length 270.1
  Top w0.2: U4.28 216.93,300.29 217.51,299.71 222.01,299.71 223.9,301.6 223.9,304.14 245.2,325.44 245.2,352.8 245.6,353.2 v1(245.6,362.8) ; v1(397.2,373.3) v1(397.2,379.5)
  Bottom w0.2: v1(245.6,362.8) 245.6,380.2 249.5,384.1 322.2,384.1 322.4,383.9 340.5,383.9 350.7,373.7 396.9,373.7 397.2,373.4 v1(397.2,373.3) ; U1.22 397.24,379.54 v1(397.2,379.5)
/L2_K0B: length 6.6
  Top w0.2: 209.49,306.1 R42.1 209.49,306.1 ; 209.49,306.1 209.98,305.61 211.42,305.61 211.8,305.23 U4.41
/L2_K0G: length 8.1
  Top w0.2: 207.6,305.99 R41.1 207.6,305.99 ; 207.6,305.99 208.39,305.21 211,305.21 211.4,304.81 U4.42